# Altium PCB 控制盒基板.PcbDoc (part 1 of 8)
Units mil, origin at the board's own origin, x right, y up, seen from the top; angles counter-clockwise.
Board outline 12046.02 x 6189.14 mil, 4 copper layers (Top Layer, SGND, POWER, Bottom Layer); 368 components, 219 nets, 1110 pads, 351 vias.
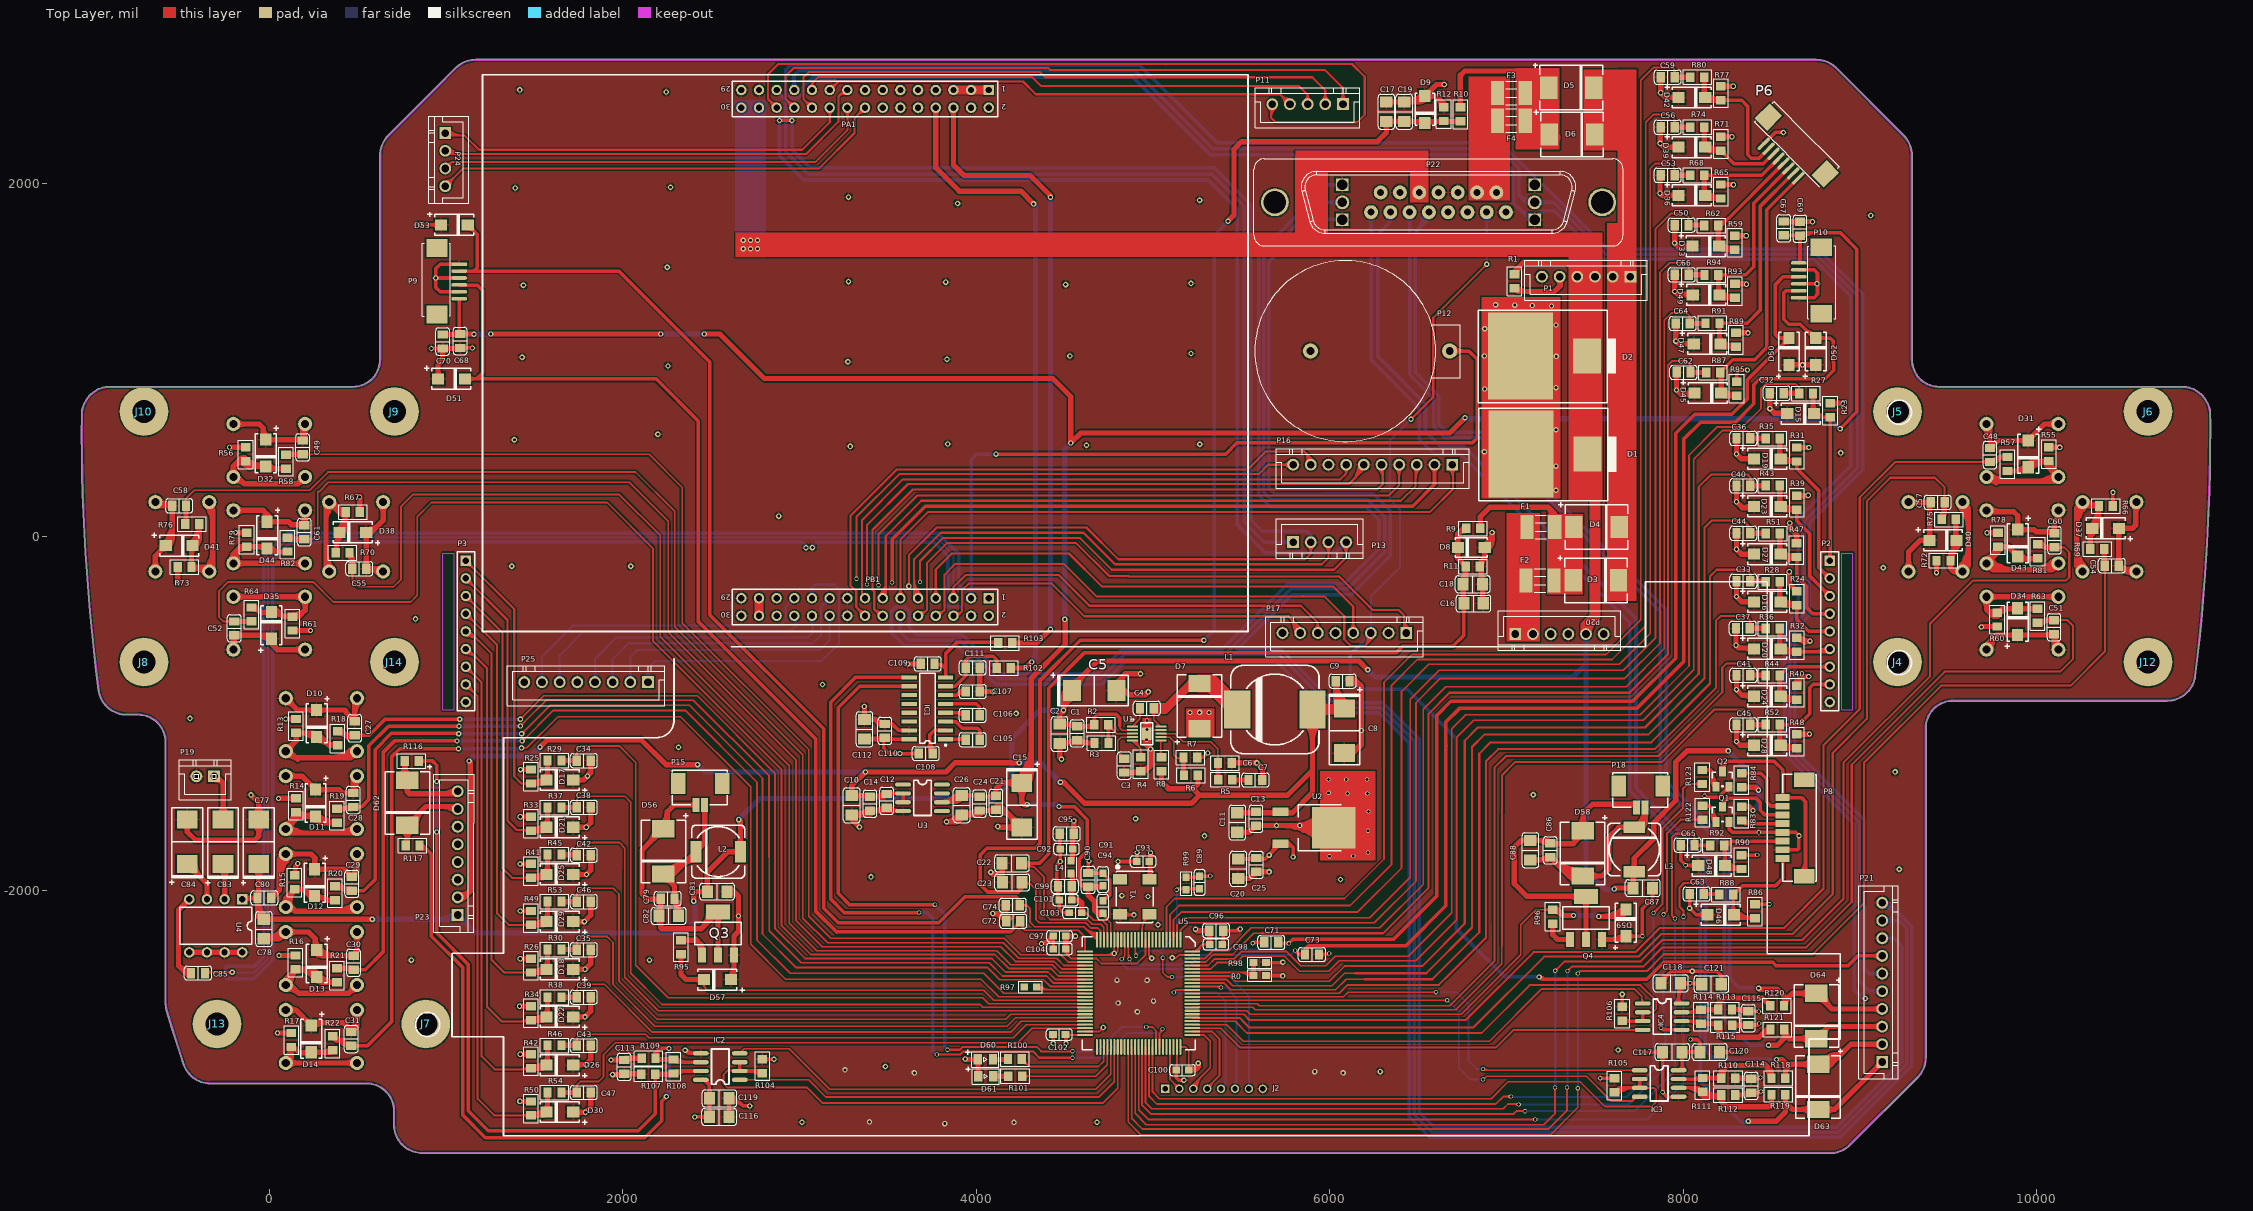
[diagram p0: Top Layer view]
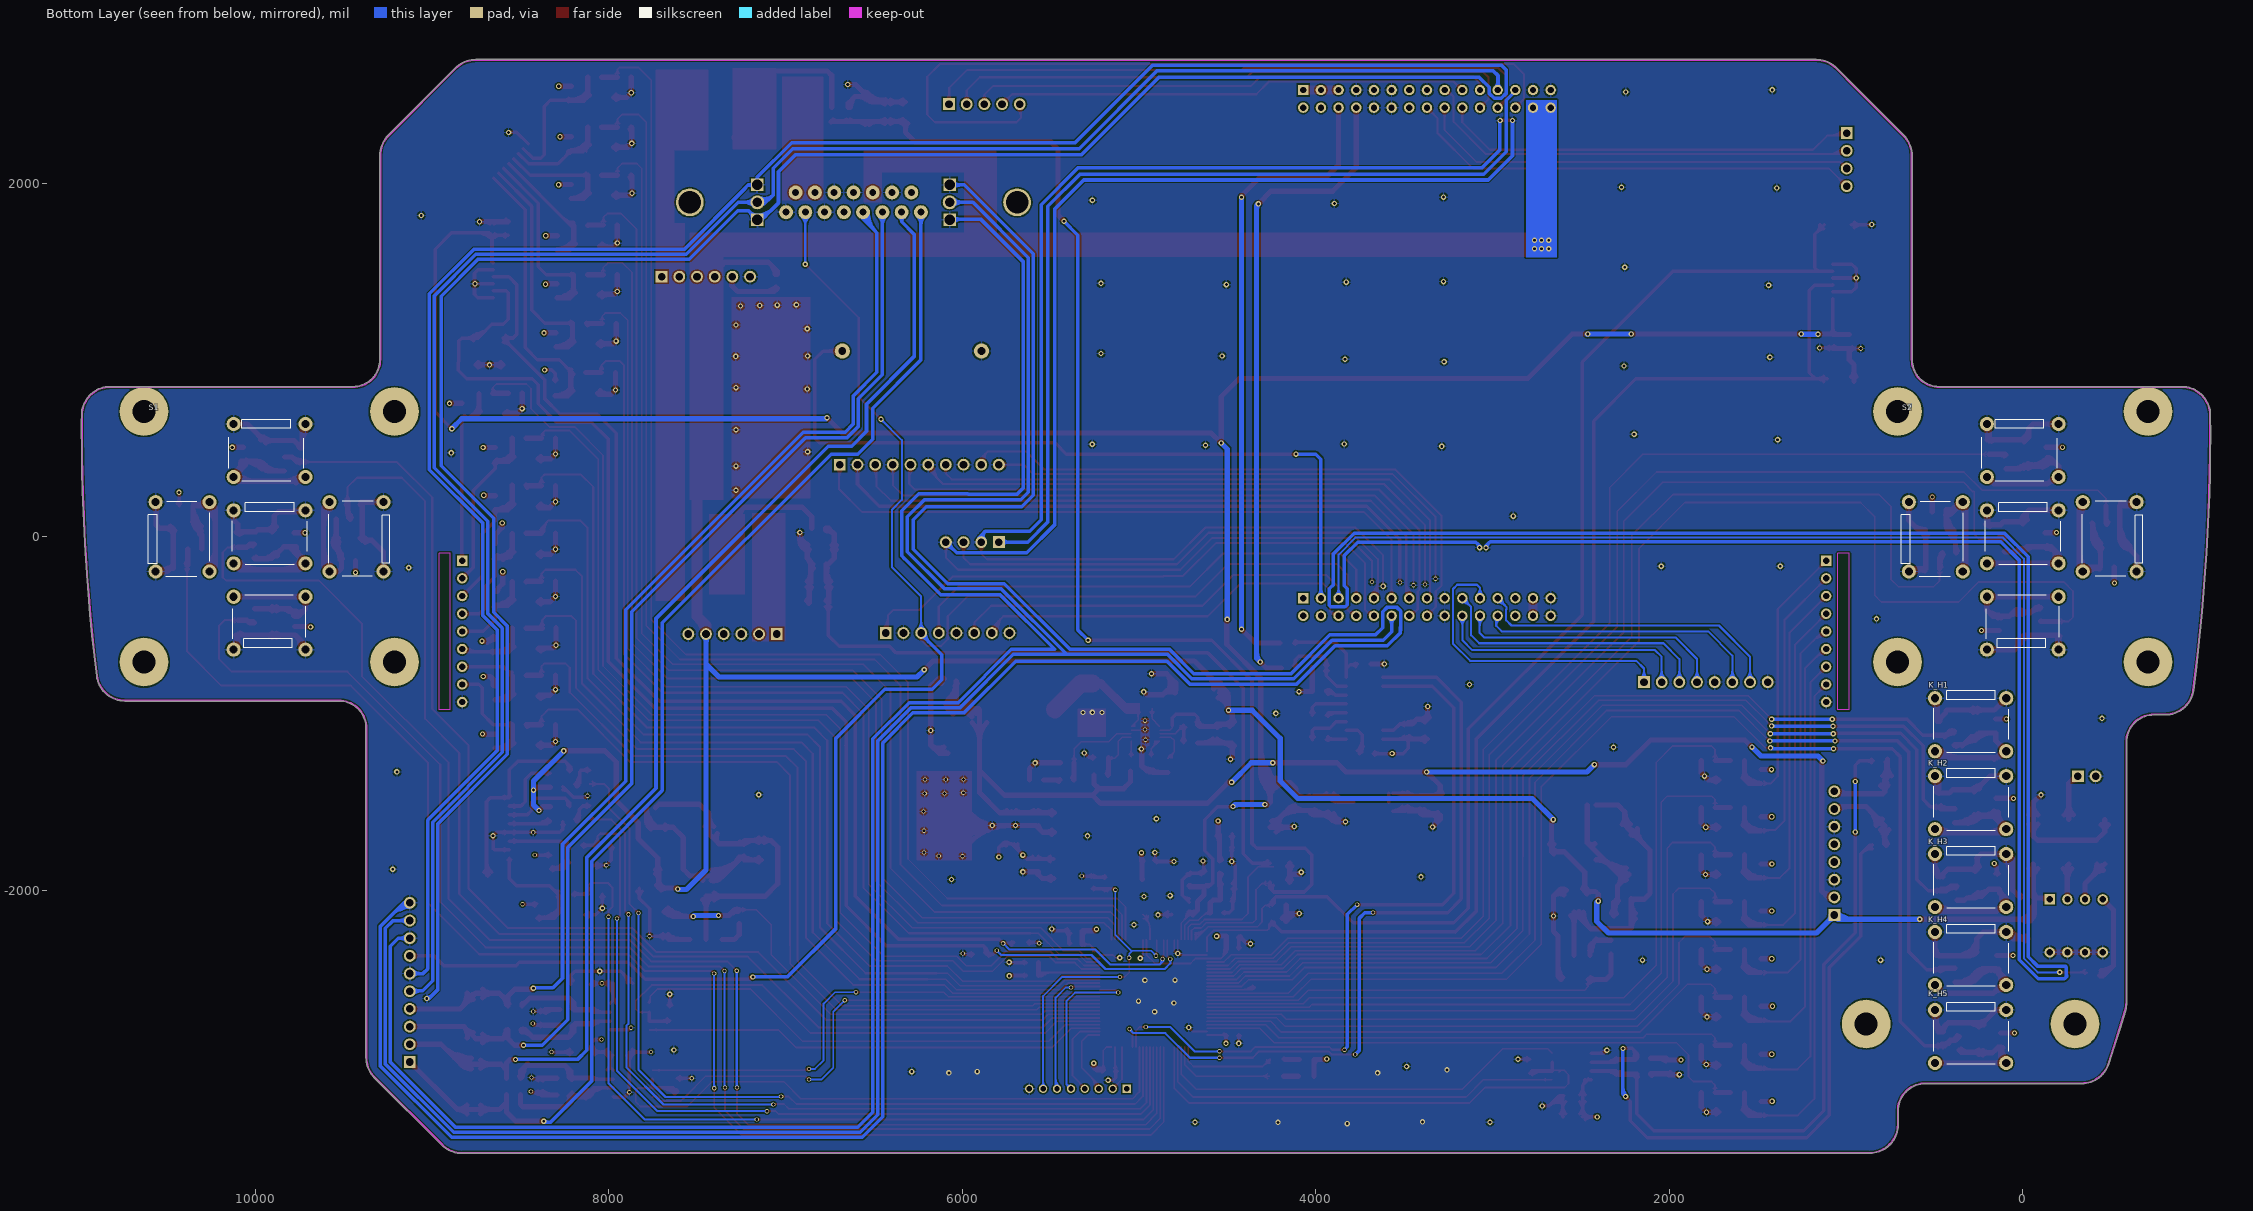
[diagram p1: Bottom Layer view, seen from below]
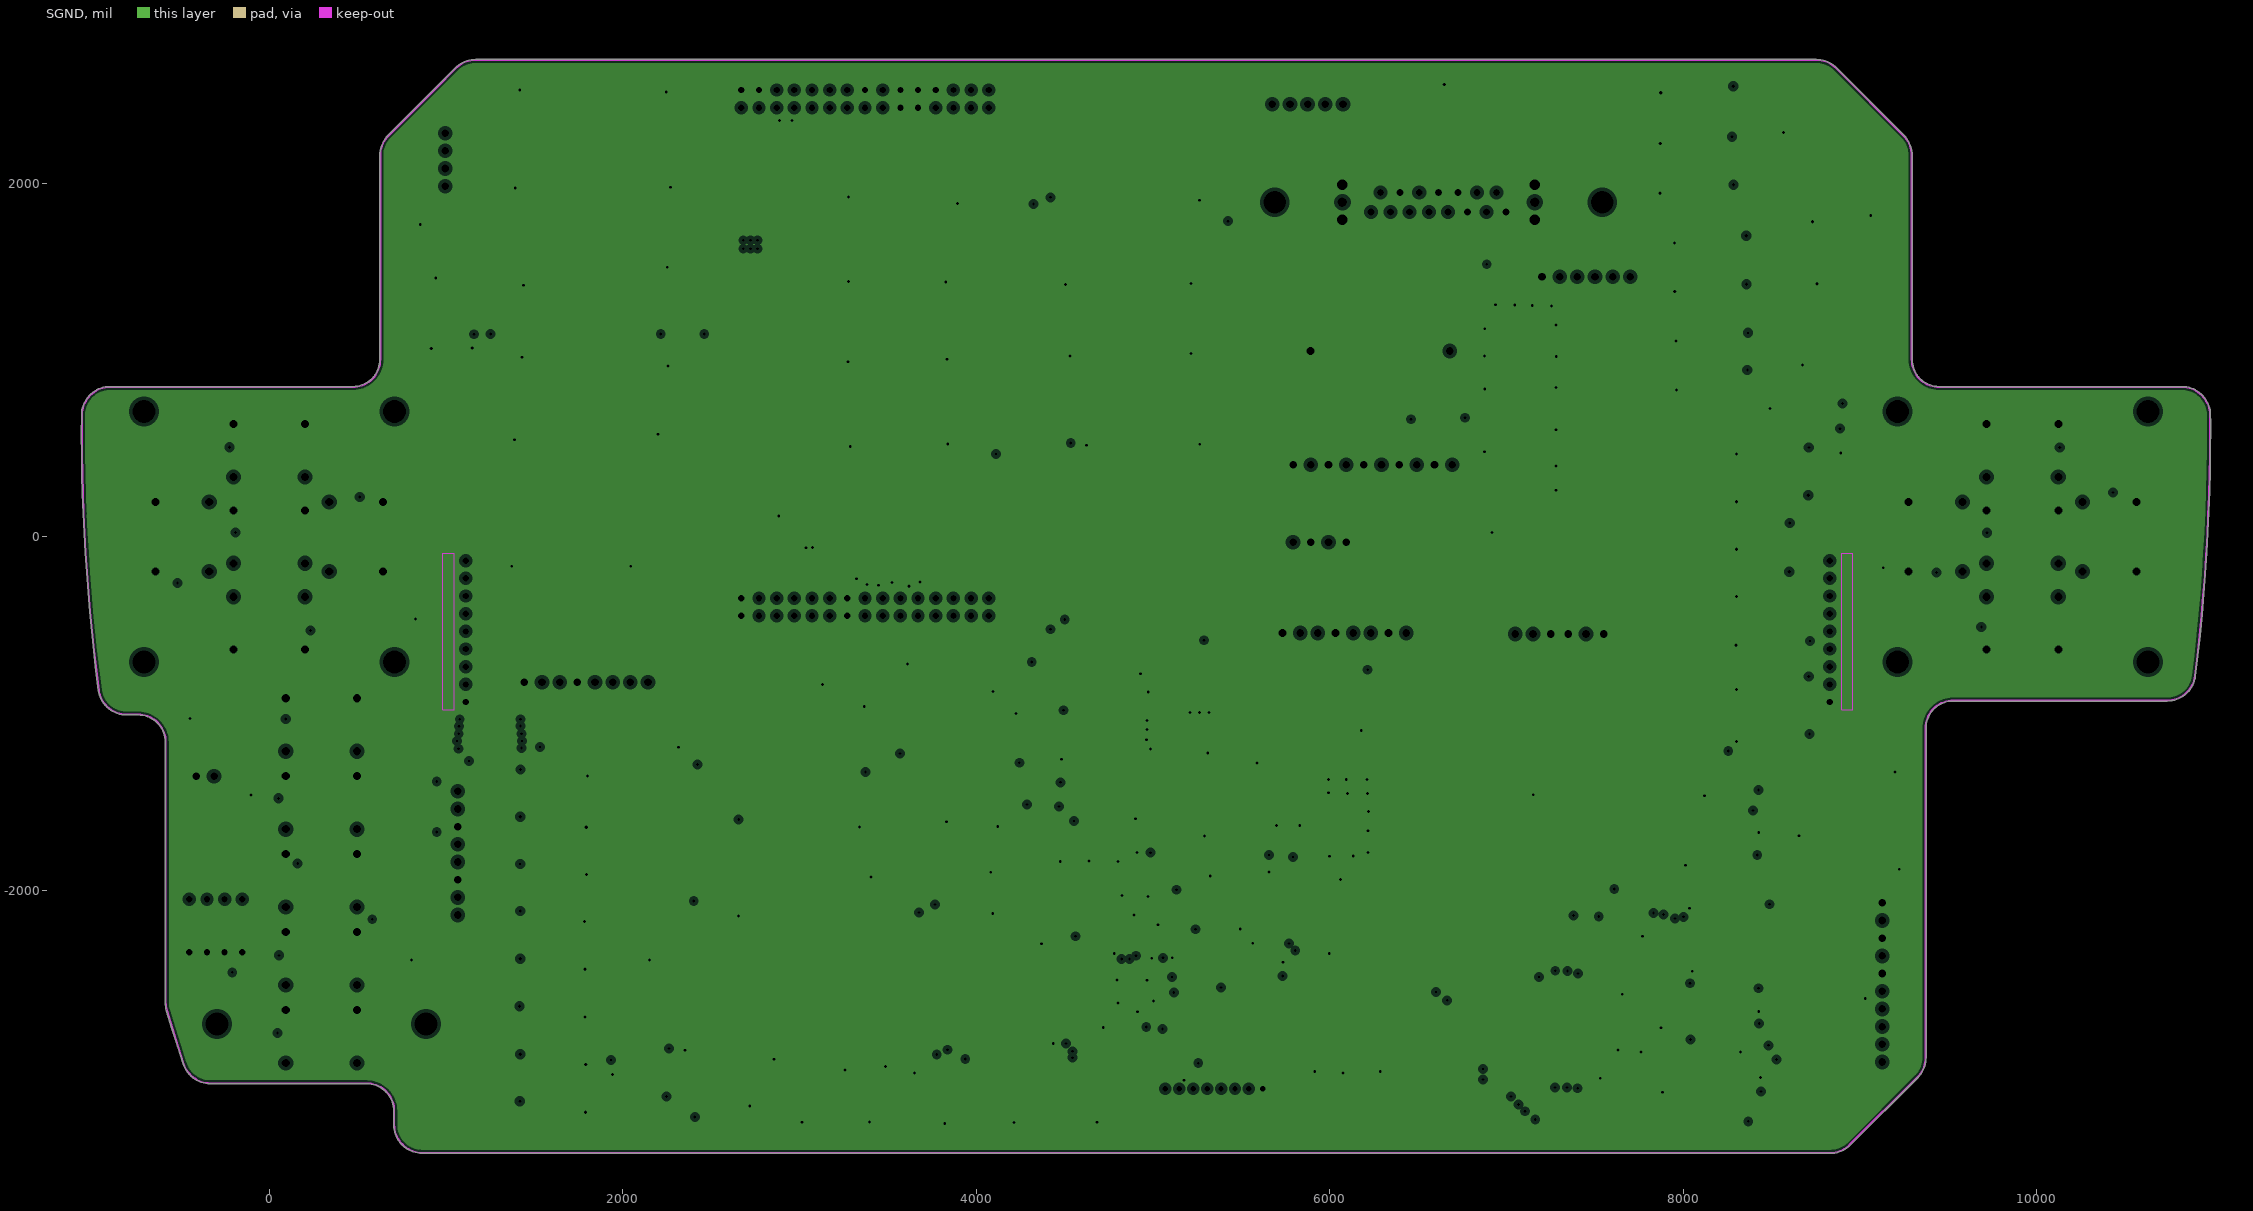
[diagram p2: SGND, clearances drawn from the general rule]
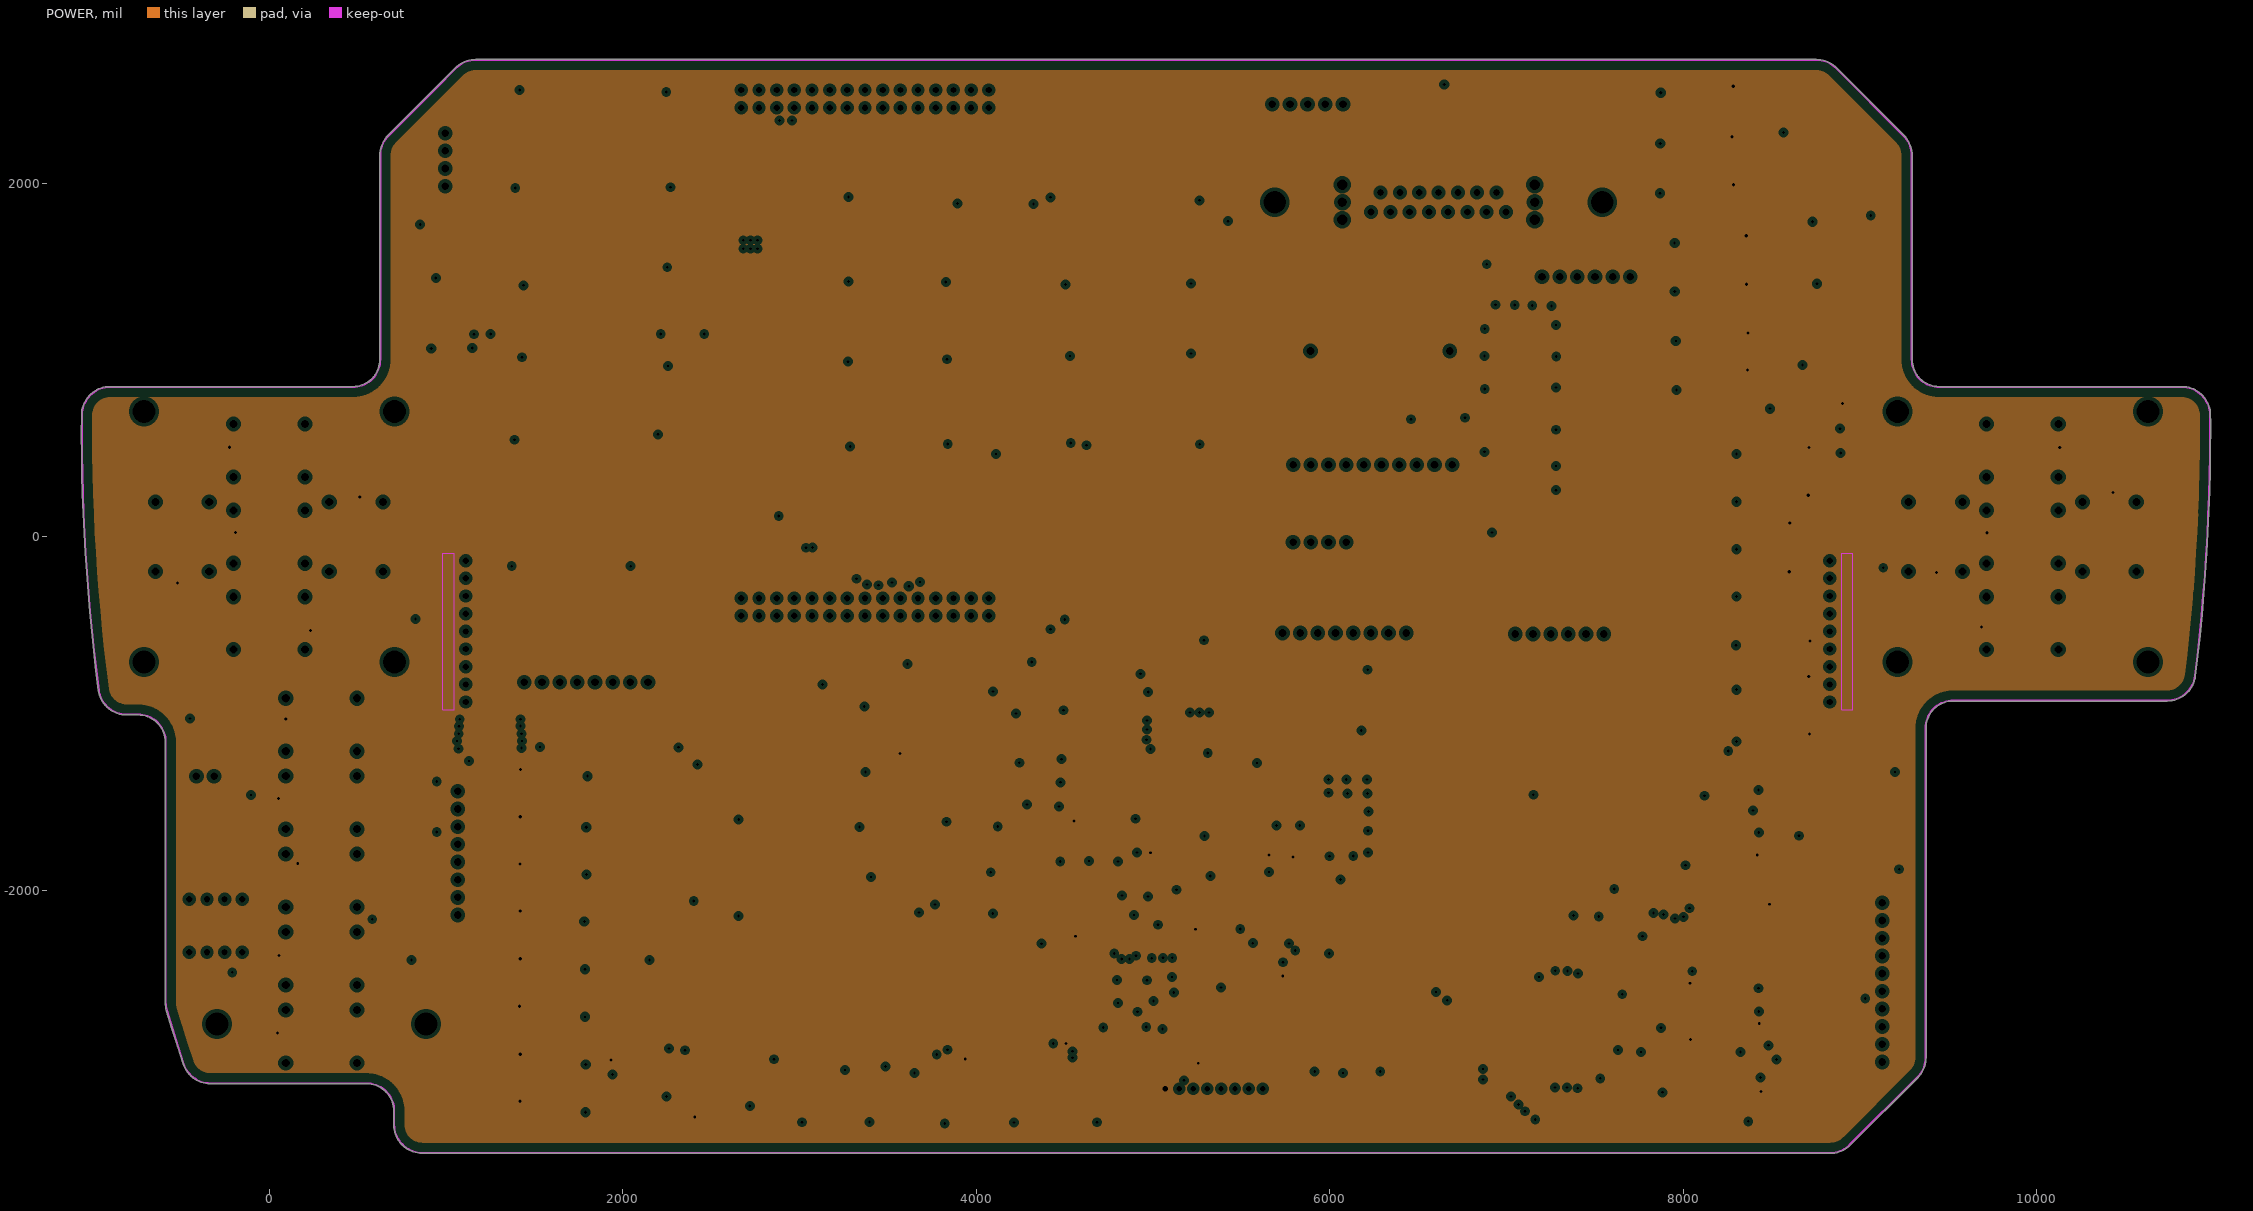
[diagram p3: POWER, clearances drawn from the general rule]
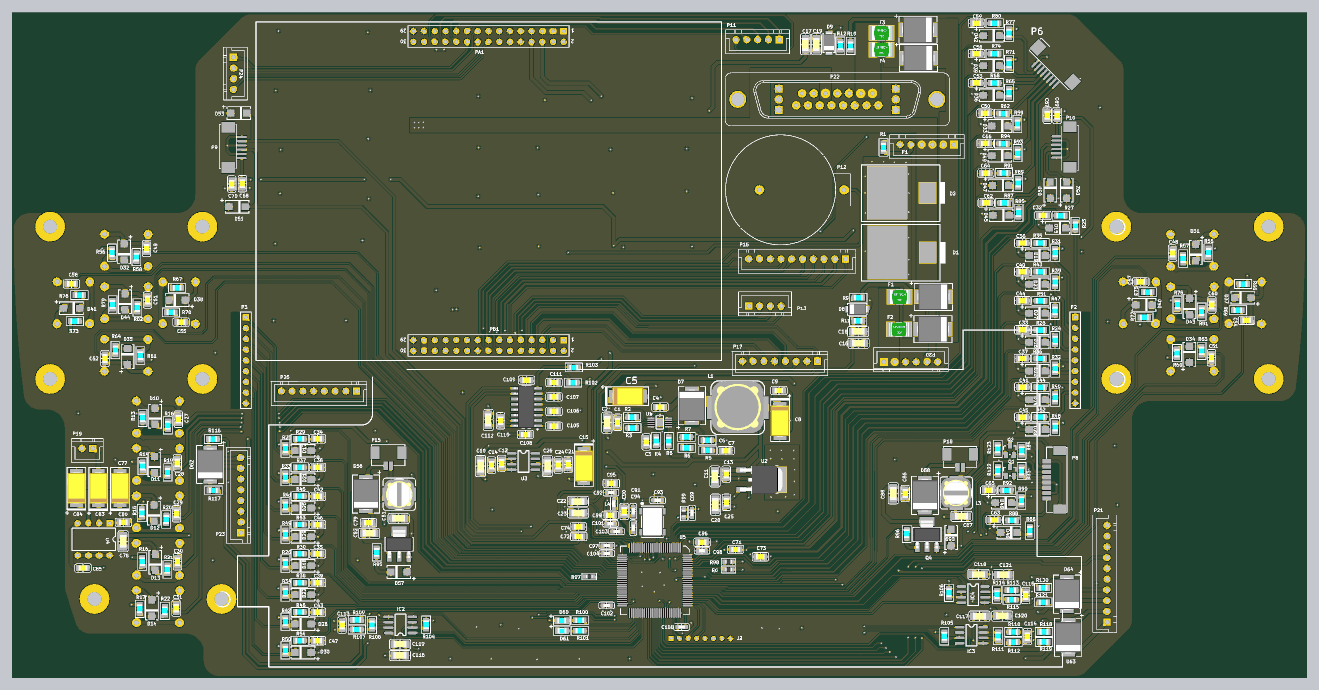
[diagram p11: 3D render of the assembled board from above, using the file's embedded part models]
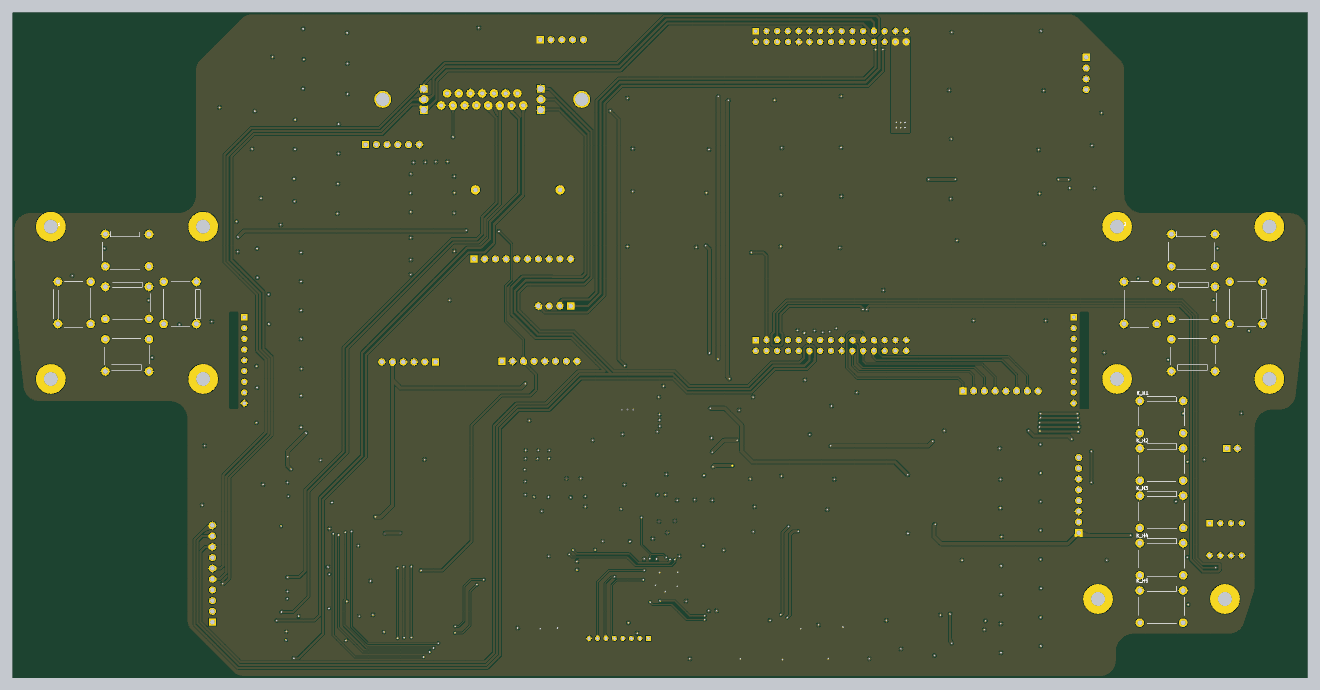
[diagram p12: 3D render of the assembled board from below, using the file's embedded part models]

## Layer stack, top to bottom
Top Solder: solder mask 0.4, Solder Resist, Dk 3.5
Top Layer: signal copper 1.4
Dielectric1: core 12.6, FR-4, Dk 4.8
SGND: plane copper 1.4, net SGND
Dielectric2: prepreg 12.6, FR-4, Dk 4.8
POWER: plane copper 1.4, net +3.3V_S
Dielectric3: core 12.6, FR-4, Dk 4.8
Bottom Layer: signal copper 1.4
Bottom Solder: solder mask 0.4, Solder Resist, Dk 3.5

## Board outline
-588.2,-2634.62 cw(c-426.71,-2634.55) -588.2,-2634.55 -588.2,-1161.42 cw(c-584.19,-1161.42) -588.2,-1161.35 cw(c-741.67,-1161.42) -588.2,-1161.42 -588.2,-1161.35 ccw(c-741.67,-1161.42) -741.62,-1007.95 ccw(c-741.67,-1161.42) -741.67,-1007.95 ccw(c-741.67,-1003.94) -741.62,-1007.95 -741.67,-1007.95 -806.94,-1007.95 cw(c-806.94,-1003.94) -806.99,-1007.95 ccw(c-806.94,-846.46) -806.94,-1007.95 -806.99,-1007.95 cw(c-806.94,-846.46) -967.1,-867.21 cw(c10437.68,610.24) -1062.12,690.1 cw(c-900.63,688.98) -900.72,850.47 cw(c-900.63,846.46) -900.63,850.47 472.44,850.47 cw(c472.44,846.46) 472.53,850.47 ccw(c472.44,1003.94) 625.91,1003.89 ccw(c472.44,1003.94) 625.91,1003.94 625.91,2159.18 cw(c629.92,2159.18) 625.91,2159.23 cw(c787.4,2159.18) 673.21,2273.37 cw(c676.05,2270.53) 673.23,2273.4 673.21,2273.37 1053.4,2653.56 1053.4,2653.57 cw(c1167.59,2539.37) 1167.54,2700.87 cw(c1167.59,2696.85) 1167.59,2700.87 8753.67,2700.87 cw(c8753.67,2696.85) 8753.72,2700.87 ccw(c8753.67,2539.37) 8753.67,2700.87 8753.72,2700.87 cw(c8753.67,2539.37) 8867.87,2653.57 cw(c8865.03,2650.73) 8867.92,2653.51 8867.87,2653.56 8867.92,2653.51 9248.06,2273.37 cw(c9245.22,2270.54) 9248.12,2273.31 ccw(c9133.86,2159.18) 9248.06,2273.37 9248.12,2273.31 cw(c9133.86,2159.18) 9295.36,2159.18 cw(c9291.34,2159.18) 9295.36,2159.13 9295.36,1003.94 ccw(c9291.34,1003.94) 9295.36,1003.99 9295.36,1003.94 ccw(c9448.82,1003.94) 9448.73,850.47 cw(c9448.82,846.46) 9448.82,850.47 10821.9,850.47 cw(c10821.9,846.46) 10821.99,850.47 ccw(c10821.9,688.98) 10821.9,850.47 10821.99,850.47 cw(c10821.9,688.98) 10983.39,690.1 cw(c-516.42,610.24) 10983.66,610.24 cw(c-516.42,610.24) 10898.43,-787.34 cw(c10738.13,-767.72) 10738.19,-929.21 cw(c10738.13,-925.2) 10738.13,-929.21 9527.56,-929.21 cw(c9527.56,-925.2) 9527.5,-929.21 cw(c9527.56,-1082.68) 9527.56,-929.21 9527.5,-929.21 ccw(c9527.56,-1082.68) 9374.1,-1082.68 cw(c9370.08,-1082.68) 9374.1,-1082.74 9374.1,-2946.58 ccw(c9370.08,-2946.58) 9374.1,-2946.52 9374.1,-2946.58 cw(c9212.6,-2946.58) 9326.84,-3060.74 cw(c9212.6,-2946.58) 9326.8,-3060.78 ccw(c9323.96,-3057.94) 9326.84,-3060.74 9326.8,-3060.78 8946.61,-3440.97 cw(c8943.77,-3438.13) 8946.56,-3441.01 ccw(c8832.41,-3326.77) 8946.61,-3440.97 8946.56,-3441.01 cw(c8832.41,-3326.77) 8832.41,-3488.27 866.14,-3488.27 cw(c866.14,-3326.77) 704.65,-3326.84 cw(c866.14,-3326.77) 704.65,-3326.77 704.65,-3248.03 cw(c708.66,-3248.03) 704.65,-3247.97 cw(c551.18,-3248.03) 704.65,-3248.03 704.65,-3247.97 ccw(c551.18,-3248.03) 551.18,-3094.57 cw(c551.18,-3090.55) 551.09,-3094.57 -333.04,-3094.57 ccw(c-333.04,-3090.55) -332.95,-3094.57 -333.04,-3094.57 cw(c-333.04,-2933.07) -486.45,-2983.54 cw(c10437.68,610.24) -581.45,-2680.76 cw(c-426.71,-2634.55)

## Design rules (kind name [scope] priority, off if disabled: settings)
Clearance [All] p1: gap=8
PlaneClearance [All] p1: clearance=20
PlaneConnect [All] p1: planeconnectstyle=Relief reliefexpansion=20 reliefentries=4 reliefconductorwidth=10 reliefairgap=10
PolygonConnect [All] p1: connectstyle=Relief reliefconductorwidth=10 reliefentries=4 polygonreliefangle="90 Angle" airgapwidth=10
RoutingVias [All] p1: holewidth=28 width=50 viastyle="Through Hole" minholewidth=16 minwidth=23 maxholewidth=50 maxwidth=100
SilkToSilkClearance [All] p1: silktosilkclearance=0
SilkToSolderMaskClearance SilkscreenOverComponentPads [IsPad] p1: minsilkscreentomaskgap=0 clearancetoexposedcopper=TRUE
SolderMaskExpansion [All] p1: expansion=4
Width [All] p1: maxlimit=100 minlimit=8 preferedwidth=10 minimp=50.000000 maximp=50.000000 favimp=50.000000
25 further rules are at their usual default settings.

## Classes and differential pairs
component class FrameWork: J3 J4 J5 J6 J7 J8 J9 J10 J11 J12 J13 J14
component class JoyStickAdcInput: C67 C68 C69 C70 C71 C72 C73 C74 D50 D51 D52 D53 P9 P10
component class KeyInput_ABH: C27 C28 C29 C30 C31 C32 C33 C34 C35 C36 C37 C38 C39 C40 C41 C42 C43 C44 C45 C46 C47 D10 D11 D12 D13 D14 D15 D16 D17 D18 D19 D20 D21 D22 D23 D24 D25 D26 D27 D28 D29 D30 K_H1 K_H2 K_H3 K_H4 K_H5 P2 P3 R13 R14 R15 R16 R17 R18 R19 R20 R21 R22 R23 R24 R25 R26 R27 R28 R29 R30 R31 R32 R33 R34 R35 R36 R37 R38 R39 R40 R41 R42 R43 R44 R45 R46 R47 R48 R49 R50 R51 R52 R53 R54
component class KeyInput_IJMEF: C48 C49 C50 C51 C52 C53 C54 C55 C56 C57 C58 C59 C60 C61 D31 D32 D33 D34 D35 D36 D37 D38 D39 D40 D41 D42 D43 D44 R55 R56 R57 R58 R59 R60 R61 R62 R63 R64 R65 R66 R67 R68 R69 R70 R71 R72 R73 R74 R75 R76 R77 R78 R79 R80 R81 R82 S1 S2
component class KeyInput_MG: C62 C63 C64 C65 C66 D45 D46 D47 D48 D49 P6 P8 Q1 Q2 R83 R84 R85 R86 R87 R88 R89 R90 R91 R92 R93 R94 R122 R123
component class LeftInterface: P23 P24 P25
component class OmapSystem: C77 C78 C79 C80 C81 C82 C83 C84 C85 C86 C87 C88 D56 D57 D58 D59 L2 L3 P11 P12 P13 P14 P15 P16 P17 P18 P19 PA1 PB1 Q3 Q4 R95 R96 U4
component class PowerManager: C1 C2 C3 C4 C5 C6 C7 C8 C9 C10 C11 C12 C13 C14 C15 C16 C17 C18 C19 C20 C21 C22 C23 C24 C25 C26 D1 D2 D3 D4 D5 D6 D7 D8 D9 F1 F2 F3 F4 L1 P1 R1 R2 R3 R4 R5 R6 R7 R8 R9 R10 R11 R12 U1 U2 U3
component class Processor: C89 C90 C91 C92 C93 C94 C95 C96 C97 C98 C99 C100 C101 C102 C103 C104 D60 D61 J2 L4 R0 R97 R98 R99 R100 R101 U5 Y1
component class RightInterface: P20 P21 P22
component class TTL_TO_RS232: C105 C106 C107 C108 C109 C110 C111 C112 IC1 R102 R103
component class TTL_TO_RS485: C113 C114 C115 C116 C117 C118 C119 C120 C121 D62 D63 D64 IC2 IC3 IC4 R104 R105 R106 R107 R108 R109 R110 R111 R112 R113 R114 R115 R116 R117 R118 R119 R120 R121
